# Altium PCB LAY-94611_B.PcbDoc (part 13 of 16) (continued)
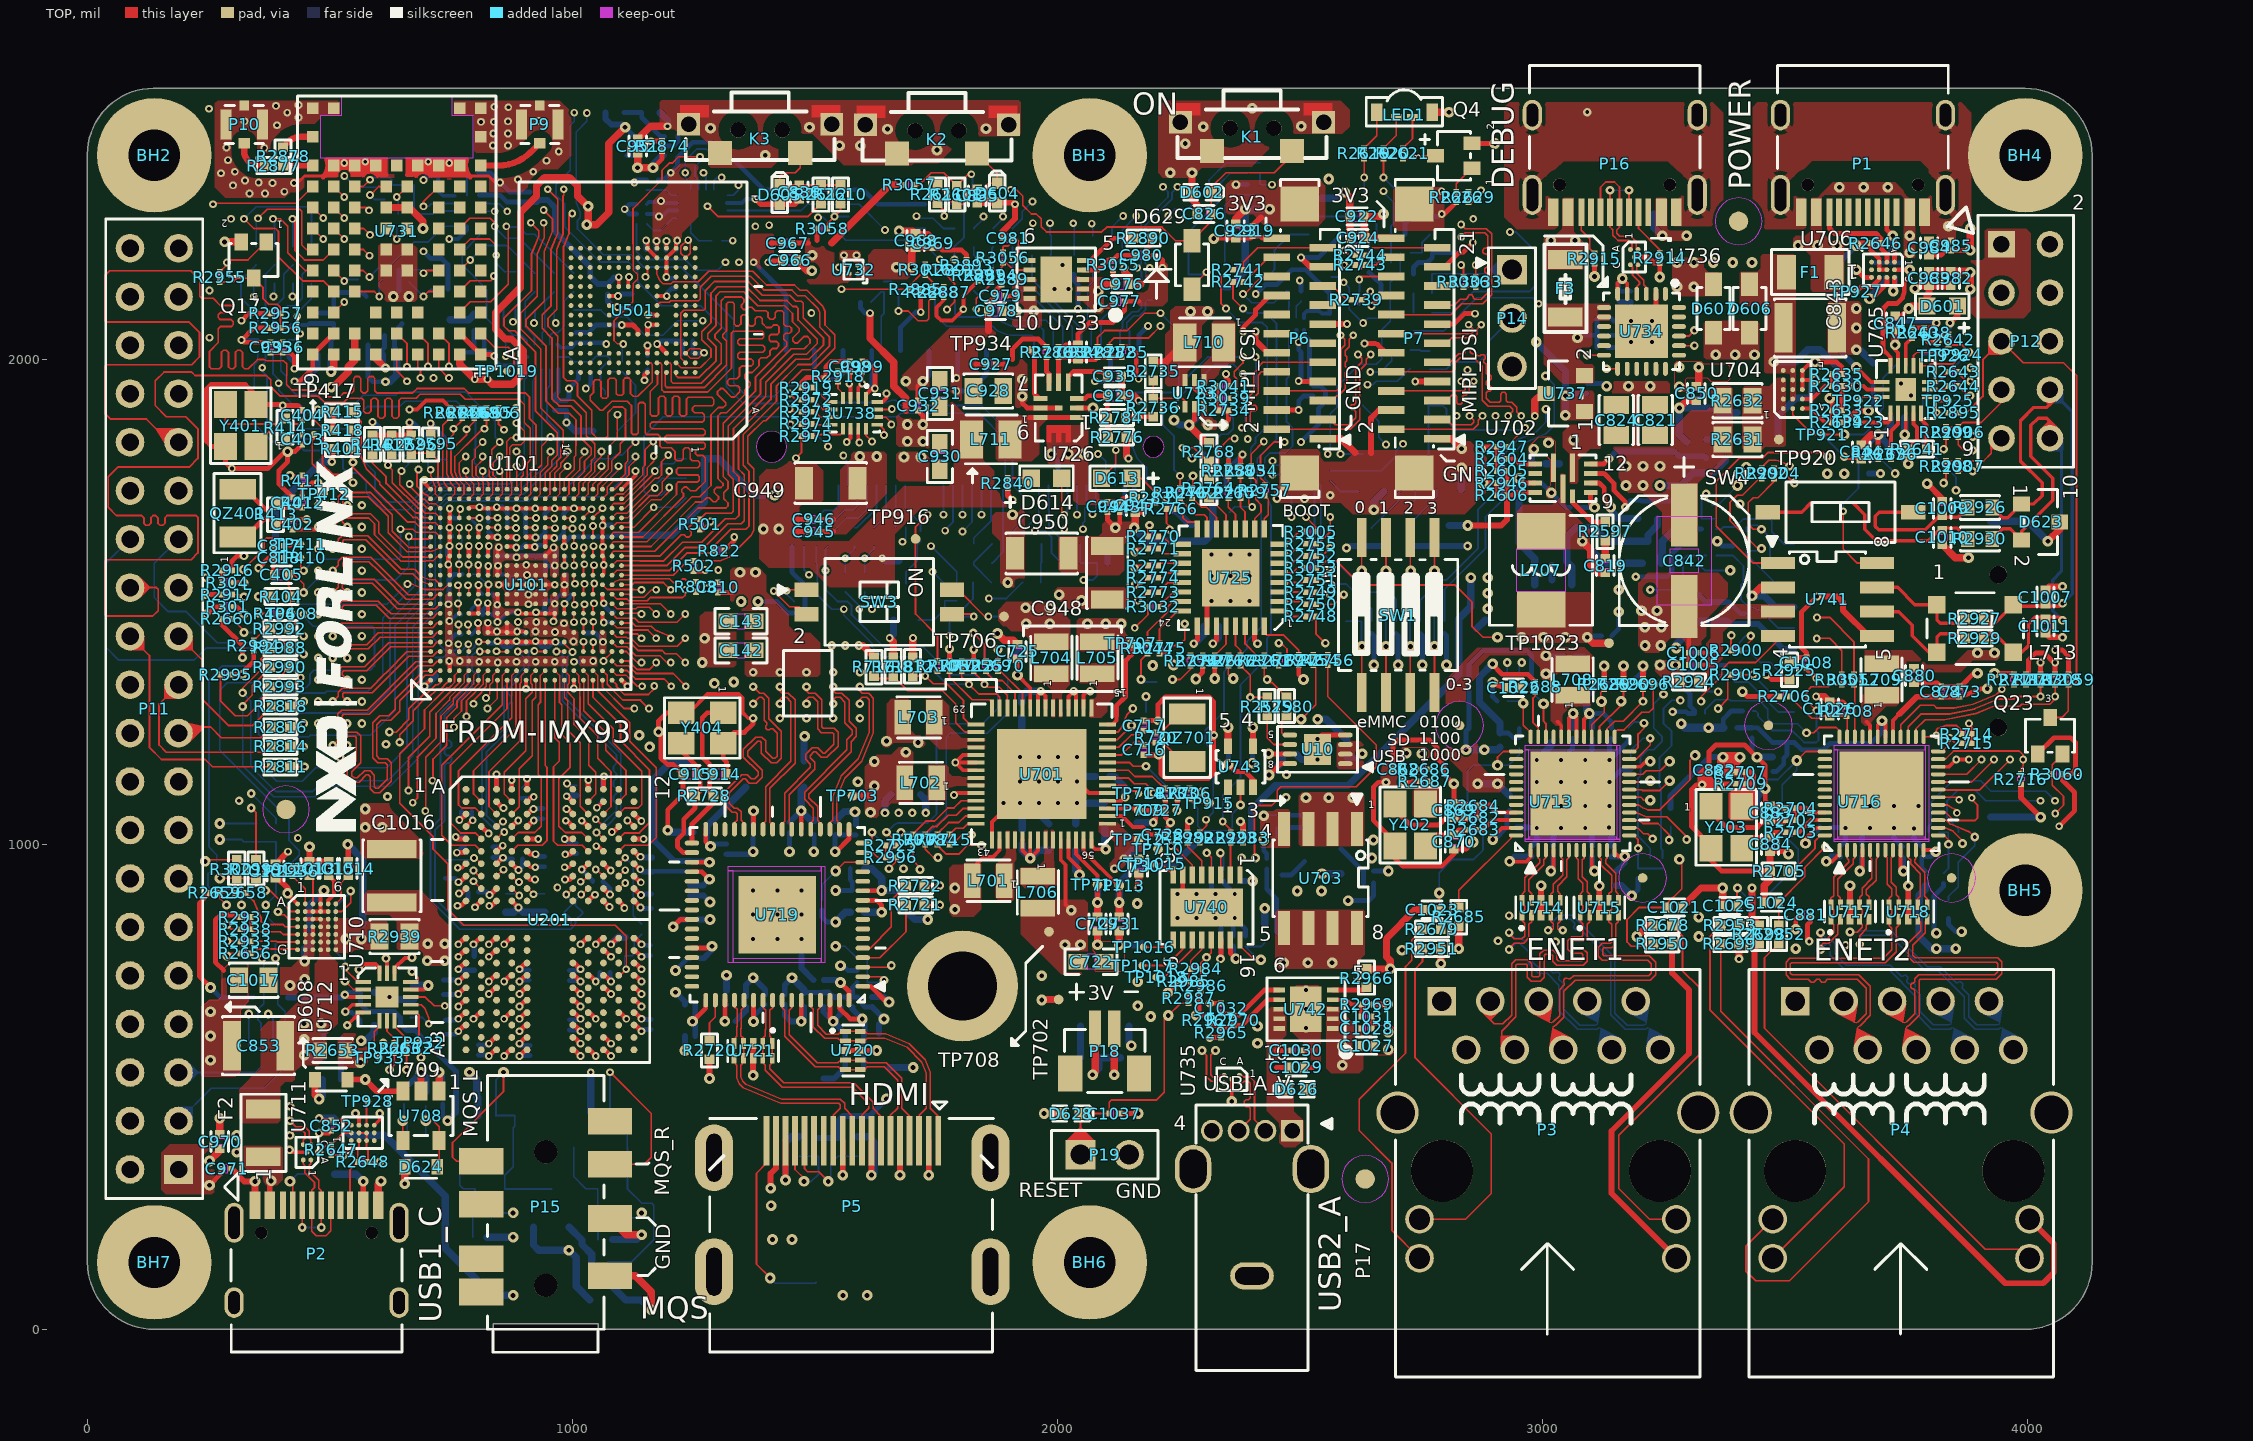
[diagram p0: TOP view]
## Nets (pads, with @x,y where several pads share a name; then routed paths per layer and width w, separated by ;. In a path a pad name is that pad's centre, name@x,y a point inside that pad or via, vN(x,y) a via of type N, cw(c..) or ccw(c..) an arc to the next point about the centre after c; other vN are vias at no path point) (continued)
  BOTTOM w10: v7(2425.8,1009) 2425.8,986.99 2431.8,980.99 C1019.2@2431.8,970.51
  BOTTOM w15: C856.2@672.8,709.76 702.04,709.76 v18(702.8,709)
  other v13: 2310.8,1865 1927.8,1959
  other v17: 2587.8,544.63 2587.8,584 2466.8,756 2516.8,756 2566.8,756
  other v19: 3242.8,1370 3275,1370
VDD_ANA_0V8: C130.1 C131.1 C132.1 C134.1 C135.1 C730.1 TP712.1 TP1094.1 U101.F10 U101.G8 U101.J15 U101.J16 U101.R14 U701.1 | length 281.5
  TOP w8: U101.F10@806.17,1515.8 v3(806.17,1534.9) ; v3(825.41,1497.48) 825.86,1497.03 U101.G8@825.86,1476.43 ; U101.J15@865.23,1614.23 881.19,1614.23 883.17,1612.25 v3(884.35,1612.25) ; U101.R14@983.34,1594.55 983.34,1575.24 v3(983.66,1574.92)
  TOP w10: U101.J16@865.23,1633.92 883.24,1633.92 v3(884.69,1632.47)
  TOP w15: v10(2167.8,910) C730.1@2167.8,940.24
  BOTTOM w8: v3(806.17,1534.9) 806.17,1524.13 C135.1@814.13,1516.17 ; v3(983.66,1574.92) 983.66,1589.58 C134.1@987.12,1593.04
  BOTTOM w10: C131.1@814.42,1474.25 814.42,1481.63 825.41,1492.62 v3(825.41,1497.48) ; 865.58,1631.56 866.49,1632.47 v3(884.69,1632.47) ; v3(884.35,1612.25) 896.67,1612.25 903.02,1618.6
  BOTTOM w15: v11(2137.8,970.26) 2165,997.46 TP1094.1@2165,1000
  other v11: 2118,950
VDD_ANA_1V8: C142.1 C143.1 C144.1 C145.1 C146.1 C147.1 C148.1 C149.1 FB16.2 R111.2 R2585.1 R2595.1 U101.E8 U101.F6 U101.F8 U101.F16 U101.G16 U101.L15 U101.R8 | length 921.5
  TOP w8: U101.E8@786.49,1476.43 U101.F8@806.17,1476.43 806.17,1497.53 v12(805.16,1498.54) ; v12(805.54,1456.6) 806.17,1455.97 U101.F6@806.17,1437.06 ; U101.F16@806.17,1633.92 806.17,1651.36 v12(808.1,1653.29) ; U101.R8@983.34,1476.43 983.34,1495.81 v12(983.66,1496.13)
  TOP w10: U101.G16@825.86,1633.92 845.02,1633.92 v12(845.65,1633.29) ; U101.L15@904.6,1614.23 921.23,1614.23 v32(922.45,1613.01)
  TOP w12: v3(707.76,1868) 707.84,1867.92 R2595.1@707.84,1844.8
  ART03 w12: v3(707.76,1868) 713.29,1862.47 731.27,1862.47 758.8,1890 842.8,1890 874.31,1921.51 891.29,1921.51 904.8,1908 904.8,1754 942.8,1716 942.8,1626.01 929.8,1613.01 v32(922.45,1613.01)
  BOTTOM w6: C148.1@788.92,1672.61 788.92,1672.47 v12(808.1,1653.29)
  BOTTOM w8: C149.1@791.5,1474.25 791.5,1484.88 v12(805.16,1498.54) ; C144.1@791.99,1433.19 805.54,1446.74 v12(805.54,1456.6) ; v12(983.66,1496.13) 983.66,1497.35 995.93,1509.62 C145.1@995.93,1515.28
  BOTTOM w10: v3(707.76,1868) 741.96,1833.8 741.96,1831.8 ; 827.37,1644.2 838.28,1633.29 v12(845.65,1633.29) ; v32(922.45,1613.01) 926.33,1616.89 942.18,1616.89
  other v17: 1267.8,1375 1272.8,1425
VDD_COIN_3V: P18.1 R2977.1 R2978.2 TP1046.1 | length 810.3
  TOP w15: v14(2072.8,525) 2078.11,530.31 P18.1@2078.11,620
  ART03 w15: v14(2072.8,525) 2072.8,693 2194.8,815 2374.76,815 v14(2427.76,868)
  BOTTOM w15: v14(2072.8,525) 2086,538.2 R2978.2@2086,559.96 R2978.2@2086,559.96 TP1046.1@2130,560 ; 2427.76,834.8 v14(2427.76,868)
VDD_SNVS_0V8: C102.1 U101.G14 | length 42.5
  TOP w8: U101.G14@825.86,1594.55 825.86,1611.09 826.48,1611.71 826.48,1613.93 v5(827.69,1615.14)
  BOTTOM w10: C102.1@823.74,1595.58 826.48,1598.32 826.48,1613.93 v5(827.69,1615.14)
VDD_SOC_0V8: C106.1 C107.1 C108.1 C109.1 C110.1 C111.1 C114.1 C124.1 C707.1 C708.1 L702.2 R709.1 TP703.1 TP1088.1 U101.J9 U101.J10 U101.J11 U101.J12 U101.J13 U101.K9 U101.K10 U101.K12 U101.K13 U101.M9 U101.M10 U101.M12 U101.M13 U101.N9 U101.N10 U101.N11 U101.N12 U101.N13 U701.38 | length 1319.7
  TOP w8: U101.N11@943.97,1535.49 v16(963.66,1535.49) ; v16(1786.8,1102) 1790.43,1105.63 U701.38@1831.97,1105.63
  TOP w10: v5(848.29,1535.49) U101.J11@865.23,1535.49
  TOP w15: TP703.1@1577.8,1100 1607.8,1100
  PWR05 w8: 1084,1595 1084,1609 1090,1615 1354,1615 1427,1542 1450,1542 1460,1532 1460,1511 1448,1499 1448,1218 1465,1201 1606,1201 1639,1234 1734,1234 1771,1197 1771,1117.8 v16(1786.8,1102)
  other v13: 1614.8,1066 1622.8,1120.5 1622.8,1171 1687.8,1190
  other v16: 909.3,1495.21 909.28,1515.31 906.2,1555.77 904.85,1576.46
VEN_SPI_CLK: P8.42 R2793.2 | length 1735.3
  ART06 w4: v4(920.66,2075.04) 922.76,2075.04 936.8,2061 936.8,1785.99 999.79,1723 1067.99,1723 1117.8,1673.19 1117.8,1524 1135.8,1506 1235.8,1506 1260.3,1481.5 1305.3,1481.5 1394.3,1392.5 1604.3,1392.5 1622.8,1411 1622.8,1428 1662.8,1468 1662.8,1598 1643.8,1617 1643.8,1633 1714.3,1703.5 1741.62,1703.5 v4(1765.12,1680)
  BOTTOM w3.62: v4(920.66,2075.04) 922.76,2077.14 922.76,2101.8 ; v4(1765.12,1680) P8.42@1765.12,1740
VEN_SPI_FRM: R2789.2 R2864.2 | length 1010.5
  ART06 w4: v4(1268.8,2080) 1255,2066.2 1255,1760.6 1394.1,1621.5 1431.3,1621.5 1487.8,1565 v4(1487.8,1556)
  BOTTOM w3.62: 1002.76,2101.8 1059,2101.8 1072.8,2088 1111.8,2088 1149.8,2050 1186.8,2050 1216.8,2080 v4(1268.8,2080) ; R2864.2@1477.8,1614.49 1477.8,1566 v4(1487.8,1556)
VEN_SPI_RXD: P8.40 R2795.2 | length 1799.9
  ART06 w4: v4(877.56,2077.54) 881.26,2077.54 917.3,2041.5 917.3,1782.5 989.8,1710 1065.8,1710 1106.8,1669 1106.8,1482 1135.8,1453 1290.8,1453 1370.8,1373 1626.8,1373 1702.8,1449 1702.8,1632 1724.8,1654 1761.8,1654 v4(1768.8,1647)
  BOTTOM w3.62: v4(877.56,2077.54) 877.56,2078.04 882.76,2083.24 882.76,2104.8 ; v4(1768.8,1647) 1768.8,1648.68 1784.8,1664.68 P8.40@1784.8,1740
VEN_SPI_TXD: P8.38 R2790.2 | length 1661.1
  ART06 w4: v4(965.76,2075.04) 955.8,2065.08 955.8,1876 970.8,1861 970.8,1771 1002.8,1739 1070,1739 1136.8,1672.2 1136.8,1647.2 1251.9,1532.1 1251.9,1520.1 1267,1505 1311.8,1505 1369.8,1447 1613.8,1447 1640.8,1474 1640.8,1515.99 1621.8,1534.99 1621.8,1662 1682.8,1723 1761.49,1723 v4(1804.49,1680)
  BOTTOM w3.62: 962.76,2101.8 962.76,2078.04 v4(965.76,2075.04) ; v4(1804.49,1680) P8.38@1804.49,1740
VEXP_3V3: C968.1 C969.1 C970.1 C971.1 P11.1 P11.17 R2893.1 U732.A1 | length 242.5
  TOP w10: v13(251.8,297) 276.29,321.49 C971.1@276.29,331 ; 1707.8,2230.24 1708.55,2229.49 C969.1@1742.8,2229.49 1759.33,2229.49 1763.31,2225.51 1802.8,2225.51 1812.8,2215.51 1812.8,2205.02
  TOP w15: C970.1@272.8,401.76 v2(272.8,435) ; v13(1699.8,2190) 1699.8,2222.24 1707.8,2230.24
  other v13: 1667.8,2190
VEXP_5V: C972.1 C973.1 C978.1 C979.1 P11.2 P11.4 U733.8 U733.9 U733.10 | length 17.8
  TOP w10: C979.1@1893.31,2131.5 1908.3,2131.5 1910.3,2133.5
  other v17: 307.8,365 307.8,400 1951.3,2100
VEXT_1V8: C952.1 C953.1 C954.1 C955.1 C956.1 C957.1 L712.2 R2875.1 U730.6 U731.A2 | length 1218.9
  TOP w15: U731.A2@767.72,2010.16 767.72,1990.08 v5(798.8,1959) v5(824.8,1959) 834.8,1949 875.8,1949 898.42,1971.62 898.42,2017.88 874.3,2042 861.8,2042 841.8,2062 841.8,2097 892.8,2148 892.8,2303 925.8,2336 925.8,2358 942.3,2374.5 994.3,2374.5 1010.8,2358 1010.8,2336.75 1031.55,2316 v7(1032.55,2316) 1032.55,2280.75 v7(1029.8,2278) 1049.8,2278 1075,2303.2 1075,2445.2 v7(1108.8,2479)
  BOTTOM w10: 781.82,2015 C957.1@797.29,2015 C956.1@797.29,2060 ; v7(1108.8,2479) 1128.11,2459.69 U730.6@1134.74,2459.69
  BOTTOM w12: R2875.1@1068,2508.96 1068,2496.5 1080,2484.5 1103.3,2484.5 v7(1108.8,2479)
VINT: C706.1 U701.4 | length 101.9
  TOP w8: U701.4@2103.63,1089.88 2132.68,1089.88 v15(2140.3,1097.5)
  BOTTOM w15: 2107.56,1140 2117.8,1140 2140.3,1117.5 v15(2140.3,1097.5)
VLDO1_3V3: C1015.1 U710.A5 | length 67.7
  TOP w8: U710.A5@496.42,877.24 496.42,884.12 508.8,896.5 508.8,924.24 497.8,935.24
VLDO3_1V8: C729.1 R111.1 TP711.1 TP1093.1 U701.54 | length 1199.1
  TOP w8: U701.54@2038.67,1009.17 2038.67,980.13 2082.8,936 TP711.1@2082.8,917 TP711.1@2082.8,915
  TOP w10: v18(2082.8,880) TP711.1@2082.8,915
  TOP w15: v2(2082.8,793) C729.1@2082.8,821.24 ; 2082.8,850.76 v18(2082.8,880)
  PWR04 w15: v26(1534.8,1410) v26(1562.8,1410) 1562.8,1155 v57(1588.8,1129)
  ART08 w15: v57(1588.8,1129) 1604.8,1145 1712.8,1145 1786.8,1071 1786.8,1023 1845.8,964 1901.8,964 1920.8,945 1992.8,945 2057.8,880 v18(2082.8,880)
  BOTTOM w15: v18(2082.8,880) 2082.8,912.8 TP1093.1@2085,915
VLDO_3V3: C848.1 C850.1 C852.1 C1012.1 D627.A R2634.1 R2639.1 R2976.1 R2979.1 TP1022.1 U706.A3 U707.1 U709.A3 U710.A1 | length 4223.6
  TOP w8: v19(412.8,899) 412.8,897.87 U710.A1@433.43,877.24 ; C852.1@502.8,430.51 534.42,430.51 U709.A3@544.18,420.75
  TOP w10: v20(477.8,435) 482.29,430.51 C852.1@502.8,430.51 ; 3618.31,1870 3623.79,1870 3647.79,1894 v35(3672.8,1894) ; v14(3724,2141) 3726.42,2143.42 U706.A3@3726.42,2169.25
  TOP w12: 387.8,930.24 392.56,930.24 412.8,910 v19(412.8,899) ; C1012.1@387.8,959.76 413.04,985 v51(413.8,985)
  ART03 w15: v14(877.8,70) 877.8,110 912.8,145 968.8,145 1023.8,90 1197.8,90 1212.8,105 1212.8,160 1262.8,210 1312.8,210 1382.8,140 1762.8,140 1832.8,210 1997.8,210 2022.8,235 2122.8,235 2167.8,190 2557.8,190 2627.8,260 2627.8,520
  ART03 w20: v35(3672.8,1894) 3692.8,1914 3692.8,2077.8 3725,2110 3725,2139.5 3724.5,2140 3724.5,2140.5 v14(3724,2141)
  ART06 w15: v19(412.8,899) 412.8,910 386.8,936 357.8,936 343.8,922 343.8,785 309.8,751 309.8,603 v20(477.8,435)
  BOTTOM w10: v35(3672.8,1894) 3682.29,1903.5 3682.29,1945 ; v14(3724,2141) 3728.31,2145.31 C848.1@3728.31,2170
  BOTTOM w12: R2979.1@2377.8,924.49 v40(2402.8,924.49)
  BOTTOM w15: v20(477.8,435) 507.8,435 542.8,400 612.8,400 737.8,275 737.8,167.2 835,70 v14(877.8,70)
  other v17: 3282.8,1944 3282.8,1984
  other v18: 2165.8,667 2165.8,717
  other v35: 3322.8,810 3322.8,850
  other v40: 2412.8,590 2412.8,625
VPCIE_3V3: C929.1 C930.1 C931.1 C932.1 C933.2 C943.1 C944.1 C945.1 C946.1 C947.1 C948.1 C949.1 C950.1 C951.1 C960.1 C961.1 C962.1 C963.1 L711.2 P8.2 P8.4 P8.72 P8.74 R2776.1 R2831.2 R2840.2 R2850.1 R2859.2 R2873.1 R2874.2 R3031.2 U726.2 U730.3 U731.A7 U731.B7 | length 1777
  TOP w10: v13(1166.42,2395.38) 1185,2413.96 1185,2429.49 ; 1457.8,1645 C945.1@1487.29,1645 ; 1457.8,1670 C946.1@1487.29,1670 ; C932.1@1712.8,1894.49 1722.8,1884.49 v31(1722.8,1866) ; U726.2@2040.2,1900 v13(2073.8,1900) ; C944.1@2103.8,1685.49 2103.8,1669 v13(2119.8,1653) 2128.8,1662 C943.1@2128.8,1685.49 ; 2160.8,1684.24 2172.03,1684.24 2192.28,1704.49 2202.8,1704.49 ; 2377.8,1780.51 2377.8,1799 2381.8,1803 v5(2381.8,1804)
  TOP w15: v13(502.8,1943) 506.8,1943 537.8,1974 537.8,1985 551.19,1998.39 U731.A7@551.19,2010.16 U731.B7@551.19,2053.46 ; 1135,2425.24 1135,2396.2 v13(1134.18,2395.38) v13(1166.42,2395.38) ; 2132.56,1965 2132.56,1925 2157.8,1925 v16(2167.8,1915) ; R2776.1@2142.6,1839.96 2142.6,1800.4 v4(2147,1796) ; v13(2158.8,1652.5) 2160.8,1654.5 2160.8,1684.24
  ART06 w15: v31(1722.8,1866) 2119,1866 2152,1833 2152,1801 v4(2147,1796)
  BOTTOM w10: v13(1166.42,2395.38) 1166.42,2405.32 1181.42,2420.32 U730.3@1189.86,2420.32 ; 2139.14,1681.17 P8.4@2139.14,1740 ; v13(2158.8,1652.5) P8.2@2158.82,1740
  BOTTOM w15: v13(1134.18,2395.38) v13(1166.42,2395.38) ; v5(1638.8,1590.01) 1643.84,1584.97 R2850.1@1673,1584.96 ; v13(2158.8,1652.5) 2158.3,1652.5 2157.8,1652 2184.8,1625 2303.8,1625 2320.8,1642 2320.8,1711 2349.8,1740 2349.8,1769 2381.8,1801 v5(2381.8,1804)
  other v7: 1393.8,1650.5 1425.8,1650.5
  other v13: 1690.8,1831 1722.8,1831 1690.8,1866
VSD_3V3: C725.1 C986.1 C987.1 D615.1 P13.4 U701.23 | length 1989.8
  TOP w8: 1917.8,1383.24 v14(1917.8,1349) 1944.18,1322.62 U701.23@1944.18,1280.83
  TOP w15: v2(1876.8,1435) 1890.8,1421 1909.56,1421 C725.1@1917.8,1412.76
  ART03 w15: v14(1917.8,1349) 1961.8,1393 2250,1393 2261.5,1381.5 2403.5,1381.5 2412,1373 2566,1373 2588,1395 2588,1414 2639,1465 2655,1465 2655.5,1465.5 3104.49,1465.5 3143.49,1504.5 3245.5,1504.5 3276.3,1473.7 v14(3276.3,1405)
  BOTTOM w12: 3378.43,1460 3383.43,1460 3388.94,1454.49 3418.43,1454.49 3445.51,1454.49 3497.28,1402.72 P13.4@3519.41,1402.72
  BOTTOM w15: v14(3276.3,1405) 3276.3,1412.87 C986.1@3323.43,1460 3378.43,1460
VSYS_5V: C701.2 C702.2 C704.1 C709.2 C712.2 C713.2 C718.2 C721.2 C726.1 C822.2 C827.1 C828.1 C829.1 C830.1 C831.1 C833.1 C837.1 C838.1 C1017.1 C1018.1 L707.2 R716.1 R2601.1 R2607.1 TP1023.1 TP1037.1 U701.16 U701.17 U701.18 U701.33 U701.34 U701.35 U701.47 U701.48 U701.49 U701.53 U701.56 U702.5 U703.1 U703.2 U703.3 U710.D2 U710.D3 U710.E2 U710.E3 U710.F2 U710.F3 U710.G2 U710.G3 | length 1610.8
  TOP w8: U710.E2@449.18,814.25 U710.D2@449.18,830 ; U710.E3@464.93,814.25 U710.D3@464.93,830 ; U701.35@1831.97,1152.87 1805.55,1152.87 v12(1789.8,1168.62) ; U701.34@1831.97,1168.62 v12(1789.8,1168.62) ; U701.33@1831.97,1184.37 1805.55,1184.37 v12(1789.8,1168.62) ; U701.47@1928.43,1009.17 1928.43,987.25 v17(1944.18,971.5) ; U701.48@1944.18,1009.17 v17(1944.18,971.5) ; U701.49@1959.93,1009.17 1959.93,987.25 v17(1944.18,971.5) ; U701.53@2022.92,1009.17 2022.92,973.25 2045.8,950.37 v17(2045.8,937) ; U701.18@2022.92,1280.83 2022.92,1305.12 v26(2033.8,1316) 2038.67,1311.13 U701.17@2038.67,1280.83 ; U701.16@2054.41,1280.83 2054.41,1307.99 2062.42,1316 v26(2067.8,1316) ; U701.56@2070.16,1009.17 2070.16,997.64 2077.8,990 v17(2099.8,990)
  TOP w10: v7(2952.3,1755) 2962.14,1745.16 U702.5@2985.71,1745.16
  TOP w15: v26(1590.8,1410) 1598.8,1410 1621.84,1386.96 R716.1@1621.84,1385.2 ; v17(3092.8,1427) 3104.8,1415 TP1023.1@3137.8,1415
  BOTTOM w3.62: 2452.29,1013.51 R2607.1@2452.29,1035
  BOTTOM w10: C838.1@2473.31,1060 2502.8,1060 ; v7(2952.3,1755) 2962.3,1745 C833.1@2977.29,1745 ; v17(3092.8,1427) 3094.8,1427 3097.8,1430 C831.1@3122.29,1430
  BOTTOM w15: v17(447.8,759.5) 447.8,785.24 C1018.1@457.8,795.24 ; C704.1@1927.8,1000.24 1927.8,987.88 v17(1944.18,971.5) 1960.68,988 C726.1@1982.8,988 ; C709.2@2037.8,988 2037.8,945 v17(2045.8,937) ; C713.2@2097.8,1033 2097.8,992 v17(2099.8,990) ; v7(2952.3,1755) 2952.3,1621.5 2984.8,1589 2984.8,1535 ; 3020,1545 TP1037.1@3020,1575 ; 3060.8,1535 3060.8,1573.22 3050.8,1583.22 3050.8,1635 3068.8,1653 3106.8,1653 3134.8,1625 3218.04,1625 3218.04,1638.04 3237.84,1657.84 3237.84,1670.2
  other v17: 417.8,709 447.8,722 2512.8,1096 2559.8,1096 2609.8,1096 2957.8,1427 3002.8,1427 3047.8,1427
W2_BT_154_RST: R2871.2 U745.3 | length 1712.7
  ART03 w3.09: v3(839.8,2305.5) 839.8,2302 851.8,2290 872.8,2290 879.4,2283.4 879.4,2268.37 904.97,2242.8 1123.6,2242.8 1140.8,2260 1260.8,2260 1282.68,2281.88 1342.93,2281.88 1368.81,2256 1392.8,2256 1405.8,2269 v22(1405.8,2277)
  ART06 w4: v22(1405.8,2277) 1405.8,2270.99 1446.8,2229.99 1446.8,2147 1355.3,2055.5 1355.3,1790.08 1382.88,1762.5 1451.72,1762.5 1582.8,1631.42 1582.8,1535 1617.8,1500 v4(1617.8,1485)
  BOTTOM w3.62: 808.59,2306 809.09,2305.5 v3(839.8,2305.5) ; 1602.8,1521 1602.8,1512 1611.8,1503 1611.8,1491 v4(1617.8,1485)
W2_BT_154_WAKE_HOST: R2855.2 U745.5 | length 2472.2
  ART06 w4: v4(862.8,2007) 870.8,2007 904.8,1973 904.8,1777 980.8,1701 980.8,1647 992.8,1635 1067.8,1635 1081.8,1621 1081.8,1407 1141.8,1347 1180.8,1347 1186.8,1341 1186.8,1316 1197.3,1305.5 1314.03,1305.5 1323.3,1296.23 1323.3,1250.96 1357.76,1216.5 1435.03,1216.5 1468.53,1183 1582.8,1183 1699.8,1300 1728.8,1300 1769.8,1341 1769.8,1356 1741.8,1384 1741.8,1466 1834.8,1559 1866.8,1559 v4(1953.8,1646)
  BOTTOM w3.62: 808.59,2274.5 808.59,2255.79 772.8,2220 772.8,2195 822.8,2145 822.8,2085 862.8,2045 v4(862.8,2007) ; v4(1953.8,1646) 1954.8,1647 1974.8,1647 1987.8,1634 1987.8,1601.6 R2855.2@2009.4,1580
W2_CONFIG0: R2881.2 R2883.1 U731.D3 | length 113.6
  TOP w3.62: v5(692.8,2130.08) 702.8,2140.08 U731.D3@724.41,2140.08
  BOTTOM w3.62: 663.31,2160 663.31,2159.57 v5(692.8,2130.08) 707.72,2145 722.29,2145
W2_CONFIG1: R2882.2 R2884.1 U731.E3 | length 98.6
  TOP w3.62: v5(692.8,2178) 698.19,2183.39 U731.E3@724.41,2183.39
  BOTTOM w3.62: 663.31,2185 685.8,2185 v5(692.8,2178) 699.8,2185 722.29,2185
W2_GPIO27: TP1019.1 U731.B1 | length 128.7
  TOP w3.62: U731.B1@811.03,2053.46 839.49,2025 867.8,2025 879.8,2013 879.8,1991 TP1019.1@864.8,1976
W2_JTAG_TCK: TP935.1 U731.J4 | length 66.8
  TOP w3.62: v5(637.8,2334.96) U731.J4@659.45,2356.61
  BOTTOM w3.62: v5(637.8,2334.96) 640.8,2331.96 TP935.1@640.8,2300
W2_JTAG_TDI: TP937.1 U731.G7 | length 62.8
  TOP w3.62: U731.G7@551.19,2270 569.8,2270 v5(582.8,2257)
  BOTTOM w3.62: v5(582.8,2257) 584.8,2255 TP937.1@607.8,2255
W2_JTAG_TDO: TP938.1 U731.G5 | length 55.3
  TOP w3.62: U731.G5@616.15,2270 v5(637.8,2248.35)
  BOTTOM w3.62: v5(637.8,2248.35) TP938.1@637.8,2273
W2_JTAG_TMS: TP936.1 U731.J5 | length 74.4
  TOP w3.62: v5(582.8,2339) 600.41,2356.61 U731.J5@616.15,2356.61
  BOTTOM w3.62: v5(582.8,2339) 591.8,2330 TP936.1@612.8,2330
W2_NDIS1: R2870.2 U745.2 | length 1684.1
  ART03 w3.09: v3(865.8,2305.5) 866.3,2306 890.8,2306 897.8,2299 897.8,2276 908.3,2265.5 987.3,2265.5 1018.8,2297 1065.2,2297 1083.8,2278.4 1250.2,2278.4 1272.08,2300.28 1351.52,2300.28 v22(1377.3,2274.5)
  ART06 w4: v22(1377.3,2274.5) 1377.3,2260.5 1424.8,2213 1424.8,2159 1335.8,2070 1335.8,1782 1374.8,1743 1439.07,1743 1545.8,1636.27 1545.8,1569 1562.8,1552 1562.8,1514 v4(1591.8,1485)
  BOTTOM w3.62: 808.59,2321.75 830.88,2321.75 831.38,2321.25 849.55,2321.25 864.8,2306 865.3,2306 v3(865.8,2305.5) ; 1562.8,1521 1591.8,1492 v4(1591.8,1485)
W2_PCM_CLK: R2796.2 U731.D8 | length 504
  TOP w3.62: v5(322.8,2290) 342.8,2270 387.8,2270 393.8,2264 393.8,2212 443.8,2162 485.96,2162 U731.D8@507.88,2140.08
  BOTTOM w3.62: v5(322.8,2290) 347.8,2315 452.8,2315 461.84,2305.96 461.84,2232.88 461.76,2232.8
W2_PCM_DIN: R2802.2 U731.F9 | length 255.8
  TOP w3.62: v5(351.8,2291) 370.8,2310 437.4,2310 441.8,2305.6 441.8,2236 451.11,2226.69 U731.F9@464.57,2226.69
  BOTTOM w3.62: 347.76,2232.8 347.84,2232.88 347.84,2287.04 v5(351.8,2291)
W2_PCM_DOUT: R2800.2 U731.E9 | length 216.5
  TOP w3.62: v5(382.84,2289.96) 397.84,2289.96 412.8,2275 412.8,2220 449.41,2183.39 U731.E9@464.57,2183.39
  BOTTOM w3.62: v5(382.84,2289.96) 385.84,2286.96 385.84,2232.88 385.76,2232.8
W2_PCM_MCLK: TP1020.1 U731.E8 | length 60.2
  TOP w3.62: U731.E8@507.88,2183.39 v5(529.53,2161.74)
  BOTTOM w3.62: v5(529.53,2161.74) 532.79,2165 TP1020.1@557.8,2165
W2_PCM_SYNC: R2798.2 U731.F8 | length 222
  TOP w3.62: v5(422.84,2289.96) 427.8,2285 427.8,2225 447.8,2205 486.19,2205 U731.F8@507.88,2226.69
  BOTTOM w3.62: v5(422.84,2289.96) 423.84,2288.96 423.84,2232.88 423.76,2232.8
W2_SD_CLK: R2808.2 U731.A4 | length 1961.7
  TOP w3.62: U731.A4@681.11,2010.16 681.11,1982.89 686.8,1977.2 v4(686.8,1962)
  ART06 w4: v4(686.8,1962) 686.8,1977.2 678.65,1985.35 678.65,2001 705.72,2028.07 730.72,2028.07 861.65,2159 940.68,2159 1071.3,2289.62 1071.3,2327.08 1084.3,2340.08 1084.3,2402.5 1110.85,2429.05 1119.38,2432.58 1184.42,2432.58 1199,2418 1243,2418 1254.59,2429.59 1262.83,2433 1293.8,2433 1315.3,2411.5 1379.3,2411.5 1389.3,2401.5 1619.3,2401.5 1625.3,2407.5 1656.8,2407.5 1695.8,2368.5 1784.3,2368.5 1825.8,2410 1939.32,2410 2031.32,2318 2074.8,2318 2096.8,2296 v4(2135.8,2296)
  BOTTOM w3.62: 2112.72,2238 2112.88,2238.16 2112.88,2273.08 v4(2135.8,2296)
W2_SD_CMD: R2809.2 U731.B4 | length 1801.5
  TOP w3.62: U731.B4@681.11,2053.46 702.5,2032.07 v4(702.5,1985.5)
  ART06 w4: v4(702.5,1985.5) 702.5,1994.7 719.85,2012.05 729.55,2012.05 857,2139.5 948.06,2139.5 1090.8,2282.24 1090.8,2319 1103.8,2332 1103.8,2394 1122.26,2412.46 1171.54,2412.46 1185,2399 1293.3,2399 1300.3,2392 1370.8,2392 1380.8,2382 1597.88,2382 1630.88,2349 1844.26,2349 1885.76,2390.5 1929.12,2390.5 2021.62,2298 2053,2298 v4(2071,2280)
  BOTTOM w3.62: v4(2071,2280) 2073,2278 R2809.2@2073,2253.96
W2_SD_DAT0: R2812.2 U731.B3 | length 1638.5
  TOP w3.62: U731.B3@724.41,2053.46 745.8,2032.07 v4(745.8,1985.5)
  ART06 w4: v4(745.8,1985.5) 764.04,2003.74 764.04,2022.94 869.1,2128 956.3,2128 1127.8,2299.5 1127.8,2334 1161.8,2368 1288.8,2368 1299.8,2357 1313.8,2357 1334.8,2378 1366.8,2378 1374.3,2370.5 1593.11,2370.5 1626.11,2337.5 1849.03,2337.5 1890.53,2379 1919.79,2379 1966.8,2331.99 1966.8,2298.2 v4(1949.6,2281.04)
  BOTTOM w3.62: R2812.2@1949.6,2255.04 v4(1949.6,2281.04)
W2_SD_DAT1: R2819.2 U731.A3 | length 1604.8
  TOP w3.62: U731.A3@724.41,2010.16 724.41,1982.39 745.3,1961.5 v4(745.8,1961.5)
  ART06 w4: v4(745.8,1961.5) 764.3,1961.5 810.8,2008 810.8,2054.85 872.45,2116.5 961.31,2116.5 1144.8,2299.99 1144.8,2332.27 1169.03,2356.5 1280.3,2356.5 1293.3,2343.5 1349.3,2343.5 1364.8,2359 1588.34,2359 1621.34,2326 1853.8,2326 1894.8,2367 1910.8,2367 1948.8,2329 v4(1948.8,2326)
  BOTTOM w3.62: 1907.84,2270.2 1908,2270.2 1927.8,2290 1927.8,2305 v4(1948.8,2326)
W2_SD_DAT2: R2820.2 U731.B5 | length 2550.2
  TOP w3.62: U731.B5@637.8,2053.46 659.19,2032.07 v4(659.19,1985)
  ART06 w4: v4(659.19,1985) 659.19,2023.39 827.8,2192 942.8,2192 1005.8,2255 1005.8,2282 1020.8,2297 1042.8,2297 1051.8,2306 1051.8,2338 1063.8,2350 1063.8,2414.94 1107.8,2458.94 1141.94,2458.94 1148,2465 1180,2465 1206,2439 1236,2439 1242.47,2445.47 1263.07,2454 1300.8,2454 1323.8,2431 1364.3,2431 1373.8,2440.5 1405.8,2440.5 1425.3,2421 1607.8,2421 1613.8,2427 1703,2427 1742,2388 1776.22,2388 1817.72,2429.5 1930.8,2429.5 2011.3,2510 2135.53,2510 2163.8,2481.73 2163.8,2322 2181.8,2304 2181.8,2281 2162.8,2262 1942.8,2262 1909.8,2295 v4(1887.8,2295)
  BOTTOM w3.62: 1867.84,2270.2 1887.8,2290.16 v4(1887.8,2295)
W2_SD_DAT3: R2821.2 U731.A5 | length 2624.4
  TOP w3.62: U731.A5@637.8,2010.16 637.8,1976.39 v4(659.19,1955)
  ART06 w4: v4(659.19,1955) 637.99,1976.2 637.99,2024.19 817.8,2204 817.8,2229 825.8,2237 950.8,2237 976.8,2263 976.8,2304 1045.8,2373 1045.8,2448.99 1117.81,2521 2140.8,2521 2182.8,2479 2182.8,2332.73 2204.8,2310.73 2204.8,2281 2170.8,2247 1940.8,2247 1910.3,2277.5 1865.3,2277.5 v4(1847.8,2295)
  BOTTOM w3.62: 1827.84,2270.2 1828,2270.2 1847.8,2290 v4(1847.8,2295)
W2_SD_NINT: TP1021.1 U731.D7 | length 92.3
  TOP w3.62: U731.D7@551.19,2140.08 591.72,2140.08 v5(601.8,2130)
  BOTTOM w3.62: v5(601.8,2130) 601.8,2159 TP1021.1@607.8,2165
W2_SPI_CLK: R2801.2 U731.E2 | length 200.1
  TOP w3.62: U731.E2@767.72,2183.39 v5(789.37,2205.04)
  BOTTOM w3.62: v5(789.37,2205.04) 819.33,2235 865.56,2235 922.76,2177.8
W2_SPI_FRM: R2797.2 U731.C2 | length 424.4
  TOP w3.62: U731.C2@767.72,2096.77 767.8,2096.77 789.8,2118.77 831.57,2118.77 867.8,2155 867.8,2269 863.8,2273 v5(863.8,2274.5)
  BOTTOM w3.62: v5(863.8,2274.5) 864.3,2274.5 865.8,2273 889.8,2273 904.8,2258 922.56,2258 1002.76,2177.8
W2_SPI_NINT: R3028.1 U731.D2 | length 2287.2
  TOP w3.62: U731.D2@767.72,2140.08 767.8,2140.08 789.8,2162.08 831.88,2162.08 837.8,2168 v3(837.8,2172.32)
  ART03 w3.09: v3(837.8,2172.32) 840.06,2172.32 841.38,2171 999.8,2171 1083.8,2087 1109.8,2087 1139.8,2057 1272.8,2057 1287.8,2072 1445.8,2072 1521.8,2148 1521.8,2224 1542.8,2245 1596.3,2245 1636.3,2285 1696.8,2285 1702.8,2279 1716.8,2279 1726.8,2289 1726.8,2314 1762.8,2350 1834.51,2350 1851.11,2366.6 1962.2,2366.6 2029.8,2299 2109.8,2299 2125.8,2315 2172.8,2315 2187.3,2300.5 2187.3,2247.5 2235.4,2199.4 2235.4,2058.4 2288.8,2005 2347.8,2005 v3(2382.8,1970)
  BOTTOM w3.62: R3028.1@2295.2,1943.46 2295.2,1960.2 2325,1990 2362.8,1990 v3(2382.8,1970)
W2_SPI_RX: R2805.2 U731.F2 | length 173.6
  TOP w3.62: U731.F2@767.72,2226.69 789.53,2248.5 829.3,2248.5 842.8,2235 v5(842.8,2215)
  BOTTOM w3.62: v5(842.8,2215) 842.8,2198.26 860.26,2180.8 882.76,2180.8
W2_SPI_TX: R2799.2 U731.G2 | length 255.9
  TOP w3.62: U731.G2@767.72,2270 788.72,2291 830.8,2291 839.8,2282 v5(839.8,2274.5)
  BOTTOM w3.62: v5(839.8,2274.5) 839.8,2273 862.8,2250 890.56,2250 962.76,2177.8
W2_UART_CTS: R2838.1 U731.H9 | length 3171.2
  TOP w3.62: U731.H9@464.57,2313.31 v3(486.22,2291.66)
  ART03 w3.09: v3(486.22,2291.66) 506.27,2311.71 545.09,2311.71 573.8,2283 635.8,2283 667.8,2251 710.8,2251 731.4,2230.4 804.2,2230.4 809.8,2236 851.81,2236 881.81,2206 1283.83,2206 1310.41,2217 1425.8,2217 1463.6,2254.8 1508.47,2254.8 1524.8,2271.13 1524.8,2302.8 1555,2333 1589.5,2333 1660,2403.5 1918.3,2403.5 2021,2506.2 2138.8,2506.2 2240,2405 2570.3,2405 2655.3,2320 2812.8,2320 2820.8,2328 2891.8,2328 2933.8,2286 v3(2933.8,2263)
  BOTTOM w3.62: R2838.1@2772.6,2096.54 2814.34,2096.54 2857.8,2140 2973.8,2140 2984.8,2151 2984.8,2224 2945.8,2263 v3(2933.8,2263)
W2_UART_RTS: R2836.1 U731.H8 | length 2662.2
  TOP w3.62: U731.H8@507.88,2313.31 v3(529.53,2291.66)
  ART03 w3.09: v3(529.53,2291.66) 554.8,2266.39 554.8,2246 563.8,2237 597.8,2237 607.3,2227.5 652.3,2227.5 663.8,2239 708.8,2239 726.8,2221 812.8,2221 834.8,2199 859.81,2199 863.81,2195 1228.8,2195 1240.4,2183.4 1411.49,2183.4 1472.49,2244.4 1512.78,2244.4 1535.38,2267 1588.3,2267 1685.3,2364 1833.8,2364 1846.8,2377 1966.3,2377 2033.3,2310 2104.8,2310 2122.8,2328 2174.8,2328 2203.3,2299.5 2203.3,2254.5 2246.8,2211 2246.8,2066 2285.8,2027 2464.8,2027 2500.8,1991 2628.66,1991 v3(2645.48,1974.18)
  BOTTOM w3.62: v3(2645.48,1974.18) 2666.98,1974.18 2689.76,1996.96 R2836.1@2689.76,2019.3
W2_UART_RX: R2834.1 U731.G9 | length 2517
  TOP w3.62: U731.G9@464.57,2270 v4(486.22,2248.35)
  ART06 w4: v4(486.22,2248.35) 540.57,2194 728.8,2194 814.8,2280 814.8,2306 830.8,2322 923.8,2322 933.8,2332 954.8,2332 965.8,2343 965.8,2369 1005.8,2409 1005.8,2484 v4(1029.8,2508)
  BOTTOM w3.62: v4(1029.8,2508) 1029.8,2491 1007.8,2469 1007.8,2324.06 1016.3,2303.54 1016.3,2292.5 1010.8,2287 1010.8,2269 1063.95,2215.85 1121.96,2215.85 1147.3,2190.51 1224.29,2190.51 1332.65,2082.15 1332.65,1951.16 1359.96,1923.85 1416.65,1923.85 1438.8,1946 1496.65,1946 1531.48,1911.17 1645.97,1911.17 1657.63,1916 1666.8,1916 1677.8,1905 1843.81,1905 1907.65,1841.16 1907.65,1740 1929.31,1718.34 1929.31,1666.51 1902.8,1640 1902.8,1605.16 R2834.1@1928,1579.96
W2_UART_TX: R2832.1 U731.G8 | length 2423.1
  TOP w3.62: U731.G8@507.88,2270 v4(529.53,2248.35)
  ART06 w4: v4(529.53,2248.35) 542.88,2235 621.8,2235 651.8,2205 702.8,2205 723.8,2226 723.8,2252 749.8,2278 777.8,2278 792.8,2293 792.8,2312.56 822.24,2342 900.24,2342 949.24,2391 959.8,2391 989.8,2421 989.8,2495 v4(1003.8,2509)
  BOTTOM w3.62: v4(1003.8,2509) 1003.8,2491 995.8,2483 995.8,2390 966.3,2360.5 966.3,2339 983.8,2321.5 983.8,2273.99 1056.79,2201 1115.8,2201 1135,2181.8 1135,2160 1184,2111 1264.8,2111 1317.8,2058 1317.8,1944 1352.8,1909 1426.8,1909 1431.8,1914 1499.8,1914 1531.8,1882 1669.8,1882 1676.8,1889 1838.8,1889 1892.8,1835 1892.8,1735 1887.8,1730 1887.8,1602.24 R2832.1@1865.6,1580.04
WDOG_B: R710.1 TP916.1 U101.J18 | length 1407.3
  TOP w3.62: U101.J18@865.23,1673.29 882.65,1673.29 v9(882.87,1673.07) ; v9(1732.8,1680) 1707.8,1655 TP916.1@1707.8,1630 1707.8,1475 1752.8,1430 1752.8,1378.51
  ART08 w3.09: v9(882.87,1673.07) 883.73,1673.07 902.8,1654 902.8,1602 913.8,1591 927.8,1591 946.8,1610 946.8,1699 959.8,1712 1127.8,1712 1166.3,1750.5 1208.3,1750.5 1213.27,1745.53 1336.17,1694.63 1361.6,1669.2 1493.46,1669.2 1501.67,1672.6 1725.4,1672.6 v9(1732.8,1680)
WL_RST: R3038.2 U731.H7 | length 1292.9
  TOP w3.62: U731.H7@551.19,2313.31 574.98,2313.31 v3(580.8,2307.49)
  ART03 w3.09: v3(580.8,2307.49) 582.3,2307.49 594.79,2295 779.8,2295 817.8,2257 858.81,2257 891.41,2224.4 1273.4,2224.4 1311.5,2262.5 1335.8,2262.5 1360.8,2237.5 1419.31,2237.5 1474.31,2292.5 v3(1506.3,2292.5)
  BOTTOM w3.62: v3(1506.3,2292.5) 1507.8,2294 1515.8,2294 1563.8,2246 1683.8,2246 1708,2270.2 1727.84,2270.2
WL_WAKE_HOST: R2854.2 U731.F7 | length 1320.1
  TOP w3.62: U731.F7@551.19,2226.69 569.11,2226.69 v3(581.8,2214)
  ART03 w3.09: v3(581.8,2214) 595.49,2214 603.49,2206 704.49,2206 722.49,2188 853.81,2188 857.81,2184 1221.8,2184 1232.8,2173 1415.8,2173 1476.8,2234 1517.09,2234 1539.09,2256 1592.3,2256 1631.8,2295.5 v3(1709.8,2295.5)
  BOTTOM w3.62: v3(1709.8,2295.5) 1710.3,2295.5 1714.8,2291 1743.8,2291 1764.6,2270.2 1787.84,2270.2
XIN_32K: C716.1 QZ701.2 R720.1 U701.10 | length 196.3
  TOP w3.62: U701.10@2103.63,1184.37 2132.17,1184.37 2159.81,1212.01 2171.8,1212.01 2177.8,1206.01 C716.1@2177.8,1205.51 2181.78,1209.49 2202.8,1209.49 2218.32,1209.49 2257.02,1170.79 QZ701.2@2267.8,1170.79
XOUT_32K: C717.1 QZ701.1 R720.2 U701.11 | length 196.1
  TOP w3.62: U701.11@2103.63,1200.12 2126.8,1200.12 2152.92,1226.24 2169.55,1226.24 C717.1@2177.8,1234.49 2181.78,1230.51 2202.8,1230.51 2213.32,1230.51 2252.02,1269.21 QZ701.1@2267.8,1269.21
XTALI_24M: C403.1 R414.1 TP417.1 U101.D18 Y401.1 | length 584.2
  TOP w3.62: Y401.1@347.51,1820.35 347.51,1824.71 374.8,1852 395.96,1852 R414.1@407.76,1840.2 420.56,1853 435.31,1853 C403.1@442.8,1845.51 466.79,1845.51 TP417.1@467.3,1845 467.3,1836.5 463.8,1833 463.8,1785.2 v11(504,1745) ; U101.D18@766.8,1673.29 766.8,1689.35 v3(768.86,1691.41)
  ART03 w3.09: v11(504,1745) 507.8,1745 523.8,1729 579.8,1729 630.8,1678 755.45,1678 v3(768.86,1691.41)

## Text inside footprints (layer, text, board x,y; h text height)
Q9: Bottom Overlay "3" at 2798.11,1626.3 h15 r180; Bottom Overlay "2" at 2861.69,1778.37 h15 r180; Bottom Overlay "1" at 2746.58,1776.38 h15 r180
Q15: Bottom Overlay "3" at 2638.11,1621.3 h15 r180; Bottom Overlay "2" at 2701.69,1773.37 h15 r180; Bottom Overlay "1" at 2586.58,1771.38 h15 r180
Q16: Bottom Overlay "3" at 2249.1,1694.69 h15 r90; Bottom Overlay "2" at 2401.17,1631.11 h15 r90; Bottom Overlay "1" at 2399.18,1746.22 h15 r90
Q17: Top Overlay "3" at 352.49,2136.3 h15 r180; Top Overlay "2" at 288.91,2288.37 h15 r180; Top Overlay "1" at 404.02,2286.38 h15 r180
Q18: Bottom Overlay "3" at 1077.49,1958.7 h15; Bottom Overlay "2" at 1013.91,1806.63 h15; Bottom Overlay "1" at 1129.02,1808.62 h15
Q21: Bottom Overlay "3" at 2239.1,2294.69 h15 r90; Bottom Overlay "2" at 2391.17,2231.11 h15 r90; Bottom Overlay "1" at 2389.18,2346.22 h15 r90
Q22: Bottom Overlay "3" at 2376.5,2165.31 h15 r270; Bottom Overlay "2" at 2224.43,2228.89 h15 r270; Bottom Overlay "1" at 2226.42,2113.78 h15 r270
Q23: Top Overlay "3" at 4037.81,1292.7 h15; Top Overlay "2" at 4101.39,1140.63 h15; Top Overlay "1" at 3986.28,1142.62 h15
QZ401: Top Overlay "1" at 290.84,1580.71 h15 r90
QZ701: Top Overlay "1" at 2286.52,1322.37 h15 r270
R111: Bottom Pin Number "2" at 1329.9,1392.38 h15; Bottom Pin Number "1" at 1381.08,1392.38 h15
R145: Bottom Pin Number "2" at 2409.89,1219.69 h15 r90; Bottom Pin Number "1" at 2409.89,1198.67 h15 r90
R201: Bottom Pin Number "2" at 1115.34,777.2 h15 r90; Bottom Pin Number "1" at 1115.34,811.98 h15 r90
R204: Bottom Pin Number "2" at 710.34,1378.14 h15 r270; Bottom Pin Number "1" at 710.34,1343.36 h15 r270
R205: Bottom Pin Number "1" at 981.22,867.46 h15 r180; Bottom Pin Number "2" at 1016,867.46 h15 r180
R207: Bottom Pin Number "2" at 870.34,867.2 h15 r90; Bottom Pin Number "1" at 870.34,901.98 h15 r90
R208: Bottom Pin Number "2" at 950.34,867.2 h15 r90; Bottom Pin Number "1" at 950.34,901.98 h15 r90
R209: Bottom Pin Number "1" at 902.46,1099.35 h15 r90; Bottom Pin Number "2" at 902.46,1120.37 h15 r90
R210: Bottom Pin Number "2" at 745.34,937.2 h15 r90; Bottom Pin Number "1" at 745.34,971.98 h15 r90
R301: Top Pin Number "2" at 302.49,1497.09 h15 r180; Top Pin Number "1" at 281.47,1497.09 h15 r180
R302: Bottom Pin Number "2" at 741.44,1522.46 h15 r180; Bottom Pin Number "1" at 762.46,1522.46 h15 r180
R303: Bottom Pin Number "2" at 767.03,1588.57 h15; Bottom Pin Number "1" at 746.01,1588.57 h15
R304: Top Pin Number "2" at 302.49,1547.09 h15 r180; Top Pin Number "1" at 281.47,1547.09 h15 r180
R305: Bottom Pin Number "2" at 775.99,1627.9 h15; Bottom Pin Number "1" at 754.97,1627.9 h15
R310: Bottom Pin Number "2" at 1239.6,1747.54 h15; Bottom Pin Number "1" at 1274.38,1747.54 h15
R311: Bottom Pin Number "2" at 1239.6,1787.54 h15; Bottom Pin Number "1" at 1274.38,1787.54 h15
R312: Bottom Pin Number "2" at 1239.6,1707.54 h15; Bottom Pin Number "1" at 1274.38,1707.54 h15
R401: Top Pin Number "2" at 538,1808.54 h15; Top Pin Number "1" at 503.21,1808.54 h15
R403: Bottom Pin Number "2" at 2739.6,2169.04 h15; Bottom Pin Number "1" at 2774.38,2169.04 h15
R404: Top Pin Number "2" at 413,1503.54 h15; Top Pin Number "1" at 378.21,1503.54 h15
R405: Bottom Pin Number "2" at 654.46,1832.8 h15 r270; Bottom Pin Number "1" at 654.46,1798.02 h15 r270
R406: Top Pin Number "2" at 371.62,1468.91 h15; Top Pin Number "1" at 392.64,1468.91 h15
R411: Top Pin Number "2" at 435.71,1764.69 h15 r270; Top Pin Number "1" at 435.71,1743.67 h15 r270
R412: Top Pin Number "2" at 435.71,1719.69 h15 r270; Top Pin Number "1" at 435.71,1698.67 h15 r270
R413: Top Pin Number "2" at 380.34,1666.8 h15 r270; Top Pin Number "1" at 380.34,1701.59 h15 r270
R414: Top Pin Number "2" at 415.26,1873.2 h15 r90; Top Pin Number "1" at 415.26,1838.41 h15 r90
R415: Top Pin Number "2" at 511.6,1899.46 h15 r180; Top Pin Number "1" at 546.38,1899.46 h15 r180
R416: Top Pin Number "2" at 595.26,1838.2 h15 r90; Top Pin Number "1" at 595.26,1803.41 h15 r90
R417: Top Pin Number "2" at 635.26,1838.2 h15 r90; Top Pin Number "1" at 635.26,1803.41 h15 r90
R418: Top Pin Number "2" at 511.6,1861.46 h15 r180; Top Pin Number "1" at 546.38,1861.46 h15 r180
R501: Top Pin Number "2" at 1269.89,1645.31 h15 r90; Top Pin Number "1" at 1269.89,1666.33 h15 r90
R502: Top Pin Number "2" at 1256.89,1559.8 h15 r90; Top Pin Number "1" at 1256.89,1580.82 h15 r90
R605: Bottom Pin Number "2" at 3792.54,2022.2 h15 r90; Bottom Pin Number "1" at 3792.54,2056.98 h15 r90
R702: Bottom Pin Number "2" at 1949.9,877.38 h15; Bottom Pin Number "1" at 2001.08,877.38 h15
R703: Top Pin Number "2" at 2254.89,1090.31 h15 r90; Top Pin Number "1" at 2254.89,1111.33 h15 r90
R704: Bottom Pin Number "1" at 1839.52,892.62 h15 r180; Bottom Pin Number "2" at 1890.7,892.62 h15 r180
R705: Top Pin Number "2" at 1770.71,1382.69 h15 r270; Top Pin Number "1" at 1770.71,1361.67 h15 r270
R706: Top Pin Number "2" at 2279.89,1090.31 h15 r90; Top Pin Number "1" at 2279.89,1111.33 h15 r90
R707: Top Pin Number "2" at 1709.89,995.31 h15 r90; Top Pin Number "1" at 1709.89,1016.33 h15 r90
R708: Top Pin Number "2" at 1734.89,995.31 h15 r90; Top Pin Number "1" at 1734.89,1016.33 h15 r90
R709: Bottom Pin Number "2" at 1594.42,1176.1 h15 r90; Bottom Pin Number "1" at 1594.42,1227.28 h15 r90
R710: Top Pin Number "2" at 1745.71,1382.69 h15 r270; Top Pin Number "1" at 1745.71,1361.67 h15 r270
R712: Top Pin Number "2" at 1795.71,1382.69 h15 r270; Top Pin Number "1" at 1795.71,1361.67 h15 r270
R713: Top Pin Number "2" at 1820.71,1382.69 h15 r270; Top Pin Number "1" at 1820.71,1361.67 h15 r270
R714: Top Pin Number "2" at 1759.89,995.31 h15 r90; Top Pin Number "1" at 1759.89,1016.33 h15 r90
R715: Top Pin Number "2" at 1784.89,995.31 h15 r90; Top Pin Number "1" at 1784.89,1016.33 h15 r90
R716: Top Pin Number "2" at 1614.34,1352.2 h15 r270; Top Pin Number "1" at 1614.34,1386.99 h15 r270
R718: Top Pin Number "2" at 1669.26,1380.2 h15 r90; Top Pin Number "1" at 1669.26,1345.41 h15 r90
R720: Top Pin Number "2" at 2209.89,1205.31 h15 r90; Top Pin Number "1" at 2209.89,1226.33 h15 r90
R723: Bottom Pin Number "2" at 2190.34,1242.2 h15 r90; Bottom Pin Number "1" at 2190.34,1276.98 h15 r90
R803: Top Pin Number "2" at 1247.71,1545.69 h15 r270; Top Pin Number "1" at 1247.71,1524.67 h15 r270
R806: Top Pin Number "2" at 840.71,1904.69 h15 r270; Top Pin Number "1" at 840.71,1883.67 h15 r270
R812: Top Pin Number "2" at 1709.26,1380.2 h15 r90; Top Pin Number "1" at 1709.26,1345.41 h15 r90
R816: Bottom Pin Number "2" at 2589.26,1208.8 h15 r270; Bottom Pin Number "1" at 2589.26,1174.02 h15 r270
R822: Top Pin Number "2" at 1317.49,1613.09 h15 r180; Top Pin Number "1" at 1296.47,1613.09 h15 r180
R2569: Top Pin Number "2" at 1845.71,1382.69 h15 r270; Top Pin Number "1" at 1845.71,1361.67 h15 r270
R2570: Top Pin Number "2" at 1870.71,1382.69 h15 r270; Top Pin Number "1" at 1870.71,1361.67 h15 r270
R2579: Top Pin Number "2" at 2440.26,1298.2 h15 r90; Top Pin Number "1" at 2440.26,1263.41 h15 r90
R2580: Top Pin Number "2" at 2480.26,1298.2 h15 r90; Top Pin Number "1" at 2480.26,1263.41 h15 r90
R2581: Bottom Pin Number "2" at 2620.71,1590.31 h15 r270; Bottom Pin Number "1" at 2620.71,1611.33 h15 r270
R2582: Bottom Pin Number "2" at 2670.71,1590.31 h15 r270; Bottom Pin Number "1" at 2670.71,1611.33 h15 r270
R2583: Bottom Pin Number "2" at 2720.71,1590.31 h15 r270; Bottom Pin Number "1" at 2720.71,1611.33 h15 r270
R2584: Bottom Pin Number "2" at 2770.71,1590.31 h15 r270; Bottom Pin Number "1" at 2770.71,1611.33 h15 r270
R2585: Bottom Pin Number "2" at 734.46,1824.8 h15 r270; Bottom Pin Number "1" at 734.46,1790.02 h15 r270
R2586: Bottom Pin Number "2" at 2623.11,1467.09 h15 r180; Bottom Pin Number "1" at 2644.13,1467.09 h15 r180
R2587: Bottom Pin Number "2" at 2673.11,1467.09 h15 r180; Bottom Pin Number "1" at 2694.13,1467.09 h15 r180
R2588: Bottom Pin Number "2" at 709.54,1807.2 h15 r90; Bottom Pin Number "1" at 709.54,1841.98 h15 r90
R2589: Bottom Pin Number "2" at 2723.11,1467.09 h15 r180; Bottom Pin Number "1" at 2744.13,1467.09 h15 r180
R2590: Bottom Pin Number "2" at 2773.11,1467.09 h15 r180; Bottom Pin Number "1" at 2794.13,1467.09 h15 r180
R2591: Bottom Pin Number "2" at 2623.11,1442.09 h15 r180; Bottom Pin Number "1" at 2644.13,1442.09 h15 r180
R2592: Bottom Pin Number "2" at 2673.11,1442.09 h15 r180; Bottom Pin Number "1" at 2694.13,1442.09 h15 r180
R2593: Bottom Pin Number "2" at 2723.11,1442.09 h15 r180; Bottom Pin Number "1" at 2744.13,1442.09 h15 r180
R2594: Bottom Pin Number "2" at 2773.11,1442.09 h15 r180; Bottom Pin Number "1" at 2794.13,1442.09 h15 r180
R2595: Top Pin Number "2" at 700.34,1811.8 h15 r270; Top Pin Number "1" at 700.34,1846.59 h15 r270
R2596: Top Pin Number "2" at 675.26,1838.2 h15 r90; Top Pin Number "1" at 675.26,1803.41 h15 r90
R2597: Top Pin Number "2" at 3122.34,1631.8 h15 r270; Top Pin Number "1" at 3122.34,1666.59 h15 r270
R2598: Bottom Pin Number "2" at 3370.26,1827.8 h15 r270; Bottom Pin Number "1" at 3370.26,1793.02 h15 r270
R2599: Bottom Pin Number "2" at 3330.26,1827.8 h15 r270; Bottom Pin Number "1" at 3330.26,1793.02 h15 r270
R2600: Bottom Pin Number "2" at 3240,1587.46 h15 r180; Bottom Pin Number "1" at 3205.22,1587.46 h15 r180
R2601: Bottom Pin Number "2" at 3245.34,1677.2 h15 r90; Bottom Pin Number "1" at 3245.34,1711.98 h15 r90
R2602: Bottom Pin Number "2" at 3285.34,1677.2 h15 r90; Bottom Pin Number "1" at 3285.34,1711.98 h15 r90
R2603: Bottom Pin Number "2" at 3190.26,1702.8 h15 r270; Bottom Pin Number "1" at 3190.26,1668.02 h15 r270
R2604: Top Pin Number "2" at 2902.11,1787.91 h15; Top Pin Number "1" at 2923.13,1787.91 h15
R2605: Top Pin Number "2" at 2931.49,1777.09 h15 r180; Top Pin Number "1" at 2910.47,1777.09 h15 r180
R2606: Top Pin Number "2" at 2931.49,1727.09 h15 r180; Top Pin Number "1" at 2910.47,1727.09 h15 r180
R2607: Bottom Pin Number "2" at 2477.49,1027.91 h15; Bottom Pin Number "1" at 2456.47,1027.91 h15
R2608: Top Pin Number "2" at 1800.26,2353.2 h15 r90; Top Pin Number "1" at 1800.26,2318.41 h15 r90
R2609: Bottom Pin Number "2" at 2455.26,967.8 h15 r270; Bottom Pin Number "1" at 2455.26,933.02 h15 r270
R2610: Top Pin Number "2" at 1545.34,2326.8 h15 r270; Top Pin Number "1" at 1545.34,2361.59 h15 r270
R2611: Top Pin Number "2" at 1745.38,2327.14 h15 r270; Top Pin Number "1" at 1745.38,2361.93 h15 r270
R2612: Top Pin Number "2" at 1505.34,2326.8 h15 r270; Top Pin Number "1" at 1505.34,2361.59 h15 r270
R2613: Bottom Pin Number "2" at 2656.49,912.91 h15; Bottom Pin Number "1" at 2635.47,912.91 h15
R2614: Bottom Pin Number "2" at 2656.49,937.91 h15; Bottom Pin Number "1" at 2635.47,937.91 h15
R2619: Top Pin Number "2" at 2625.71,2439.69 h15 r270; Top Pin Number "1" at 2625.71,2418.67 h15 r270
R2620: Top Pin Number "2" at 2665.71,2439.69 h15 r270; Top Pin Number "1" at 2665.71,2418.67 h15 r270
R2621: Top Pin Number "2" at 2705.71,2439.69 h15 r270; Top Pin Number "1" at 2705.71,2418.67 h15 r270
R2622: Bottom Pin Number "2" at 2449.89,2179.69 h15 r90; Bottom Pin Number "1" at 2449.89,2158.67 h15 r90
R2623: Bottom Pin Number "2" at 2692.49,2192.91 h15; Bottom Pin Number "1" at 2671.47,2192.91 h15
R2624: Bottom Pin Number "2" at 2635.71,2175.31 h15 r270; Bottom Pin Number "1" at 2635.71,2196.33 h15 r270
R2625: Bottom Pin Number "2" at 2748.11,2227.09 h15 r180; Bottom Pin Number "1" at 2769.13,2227.09 h15 r180
R2626: Top Pin Number "2" at 2815.71,2349.69 h15 r270; Top Pin Number "1" at 2815.71,2328.67 h15 r270
R2627: Bottom Pin Number "2" at 2703.11,2227.09 h15 r180; Bottom Pin Number "1" at 2724.13,2227.09 h15 r180
R2628: Bottom Pin Number "2" at 2622.09,2219.69 h15 r90; Bottom Pin Number "1" at 2622.09,2198.67 h15 r90
R2629: Top Pin Number "2" at 2854.89,2320.31 h15 r90; Top Pin Number "1" at 2854.89,2341.33 h15 r90
R2630: Top Pin Number "2" at 3622.49,1952.09 h15 r180; Top Pin Number "1" at 3601.47,1952.09 h15 r180
R2631: Top Pin Number "1" at 3433.51,1835 h0.01 r180; Top Pin Number "2" at 3372.09,1835 h0.01 r180; Top Pin Number "2" at 3377.09,1842.5 h15 r180; Top Pin Number "1" at 3435.29,1842.5 h15 r180
R2632: Top Pin Number "1" at 3435.29,1922.5 h15 r180; Top Pin Number "2" at 3377.09,1922.5 h15 r180; Top Pin Number "2" at 3372.09,1915 h0.01 r180; Top Pin Number "1" at 3433.51,1915 h0.01 r180
R2633: Top Pin Number "2" at 3622.49,1902.09 h15 r180; Top Pin Number "1" at 3601.47,1902.09 h15 r180
R2634: Top Pin Number "2" at 3622.49,1877.09 h15 r180; Top Pin Number "1" at 3601.47,1877.09 h15 r180
R2635: Top Pin Number "2" at 3593.11,1962.91 h15; Top Pin Number "1" at 3614.13,1962.91 h15
R2636: Top Pin Number "2" at 3711.96,1819.69 h15 r270; Top Pin Number "1" at 3711.96,1798.67 h15 r270
R2637: Top Pin Number "2" at 3699.89,1790.31 h15 r90; Top Pin Number "1" at 3699.89,1811.33 h15 r90
R2638: Top Pin Number "2" at 3794.89,2040.31 h15 r90; Top Pin Number "1" at 3794.89,2061.33 h15 r90
R2639: Bottom Pin Number "2" at 3678.11,1952.09 h15 r180; Bottom Pin Number "1" at 3699.13,1952.09 h15 r180
R2640: Top Pin Number "2" at 3769.89,2040.31 h15 r90; Top Pin Number "1" at 3769.89,2061.33 h15 r90
R2641: Top Pin Number "2" at 3759.8,1822.5 h15 r180; Top Pin Number "1" at 3794.58,1822.5 h15 r180
R2642: Top Pin Number "2" at 3830.71,2055.69 h15 r270; Top Pin Number "1" at 3830.71,2034.67 h15 r270
R2643: Top Pin Number "2" at 3833.11,1967.41 h15; Top Pin Number "1" at 3854.13,1967.41 h15
R2644: Top Pin Number "2" at 3833.11,1937.91 h15; Top Pin Number "1" at 3854.13,1937.91 h15
R2645: Bottom Pin Number "2" at 3710.71,2195.31 h15 r270; Bottom Pin Number "1" at 3710.71,2216.33 h15 r270
R2646: Top Pin Number "2" at 3702.49,2247.09 h15 r180; Top Pin Number "1" at 3681.47,2247.09 h15 r180
R2647: Top Pin Number "2" at 509.89,355.31 h15 r90; Top Pin Number "1" at 509.89,376.33 h15 r90
R2648: Top Pin Number "2" at 553.11,337.91 h15; Top Pin Number "1" at 574.13,337.91 h15
R2649: Bottom Pin Number "2" at 664.6,392.54 h15; Bottom Pin Number "1" at 699.38,392.54 h15
R2650: Bottom Pin Number "2" at 739.89,489.69 h15 r90; Bottom Pin Number "1" at 739.89,468.67 h15 r90
R2651: Bottom Pin Number "2" at 521,567.46 h15 r180; Bottom Pin Number "1" at 486.22,567.46 h15 r180
R2652: Bottom Pin Number "2" at 521,607.46 h15 r180; Bottom Pin Number "1" at 486.22,607.46 h15 r180
R2653: Top Pin Number "2" at 523.7,567.38 h15; Top Pin Number "1" at 472.52,567.38 h15
R2654: Bottom Pin Number "2" at 489.6,507.54 h15; Bottom Pin Number "1" at 524.38,507.54 h15
R2655: Bottom Pin Number "2" at 660.34,472.2 h15 r90; Bottom Pin Number "1" at 660.34,506.98 h15 r90
R2656: Top Pin Number "2" at 311.11,767.91 h15; Top Pin Number "1" at 332.13,767.91 h15
R2658: Top Pin Number "2" at 330.49,907.09 h15 r180; Top Pin Number "1" at 309.47,907.09 h15 r180
R2659: Top Pin Number "2" at 248.11,892.91 h15; Top Pin Number "1" at 269.13,892.91 h15
R2660: Top Pin Number "2" at 273.11,1457.91 h15; Top Pin Number "1" at 294.13,1457.91 h15
R2661: Bottom Pin Number "2" at 641.11,650.09 h15 r180; Bottom Pin Number "1" at 662.13,650.09 h15 r180
R2662: Top Pin Number "2" at 650.71,594.69 h15 r270; Top Pin Number "1" at 650.71,573.67 h15 r270
R2663: Top Pin Number "2" at 625.71,594.69 h15 r270; Top Pin Number "1" at 625.71,573.67 h15 r270
R2664: Bottom Pin Number "2" at 381.26,960.8 h15 r270; Bottom Pin Number "1" at 381.26,926.02 h15 r270
R2665: Top Pin Number "2" at 815.71,1904.69 h15 r270; Top Pin Number "1" at 815.71,1883.67 h15 r270
R2666: Bottom Pin Number "2" at 341.26,960.8 h15 r270; Bottom Pin Number "1" at 341.26,926.02 h15 r270
R2667: Bottom Pin Number "2" at 400.26,609.8 h15 r270; Bottom Pin Number "1" at 400.26,575.02 h15 r270
R2668: Bottom Pin Number "2" at 400.26,571.8 h15 r270; Bottom Pin Number "1" at 400.26,537.02 h15 r270
R2669: Top Pin Number "2" at 790.71,1904.69 h15 r270; Top Pin Number "1" at 790.71,1883.67 h15 r270
R2670: Bottom Pin Number "2" at 395.34,802.2 h15 r90; Bottom Pin Number "1" at 395.34,836.98 h15 r90
R2671: Bottom Pin Number "2" at 350.26,609.8 h15 r270; Bottom Pin Number "1" at 350.26,575.02 h15 r270
R2672: Bottom Pin Number "2" at 350.26,571.8 h15 r270; Bottom Pin Number "1" at 350.26,537.02 h15 r270
R2673: Bottom Pin Number "2" at 355.34,802.2 h15 r90; Bottom Pin Number "1" at 355.34,836.98 h15 r90
R2674: Top Pin Number "2" at 740.71,1904.69 h15 r270; Top Pin Number "1" at 740.71,1883.67 h15 r270